# Altium PCB PCB1.PcbDoc (part 2 of 2)
Units mil, origin at the board's own origin, x right, y up, seen from the top; angles counter-clockwise.
Board outline 3937.01 x 3937.01 mil, 2 copper layers (Top Layer, Bottom Layer); 178 components, 187 nets, 636 pads, 168 vias.
Unrouted connection lines stored in the file: 17.
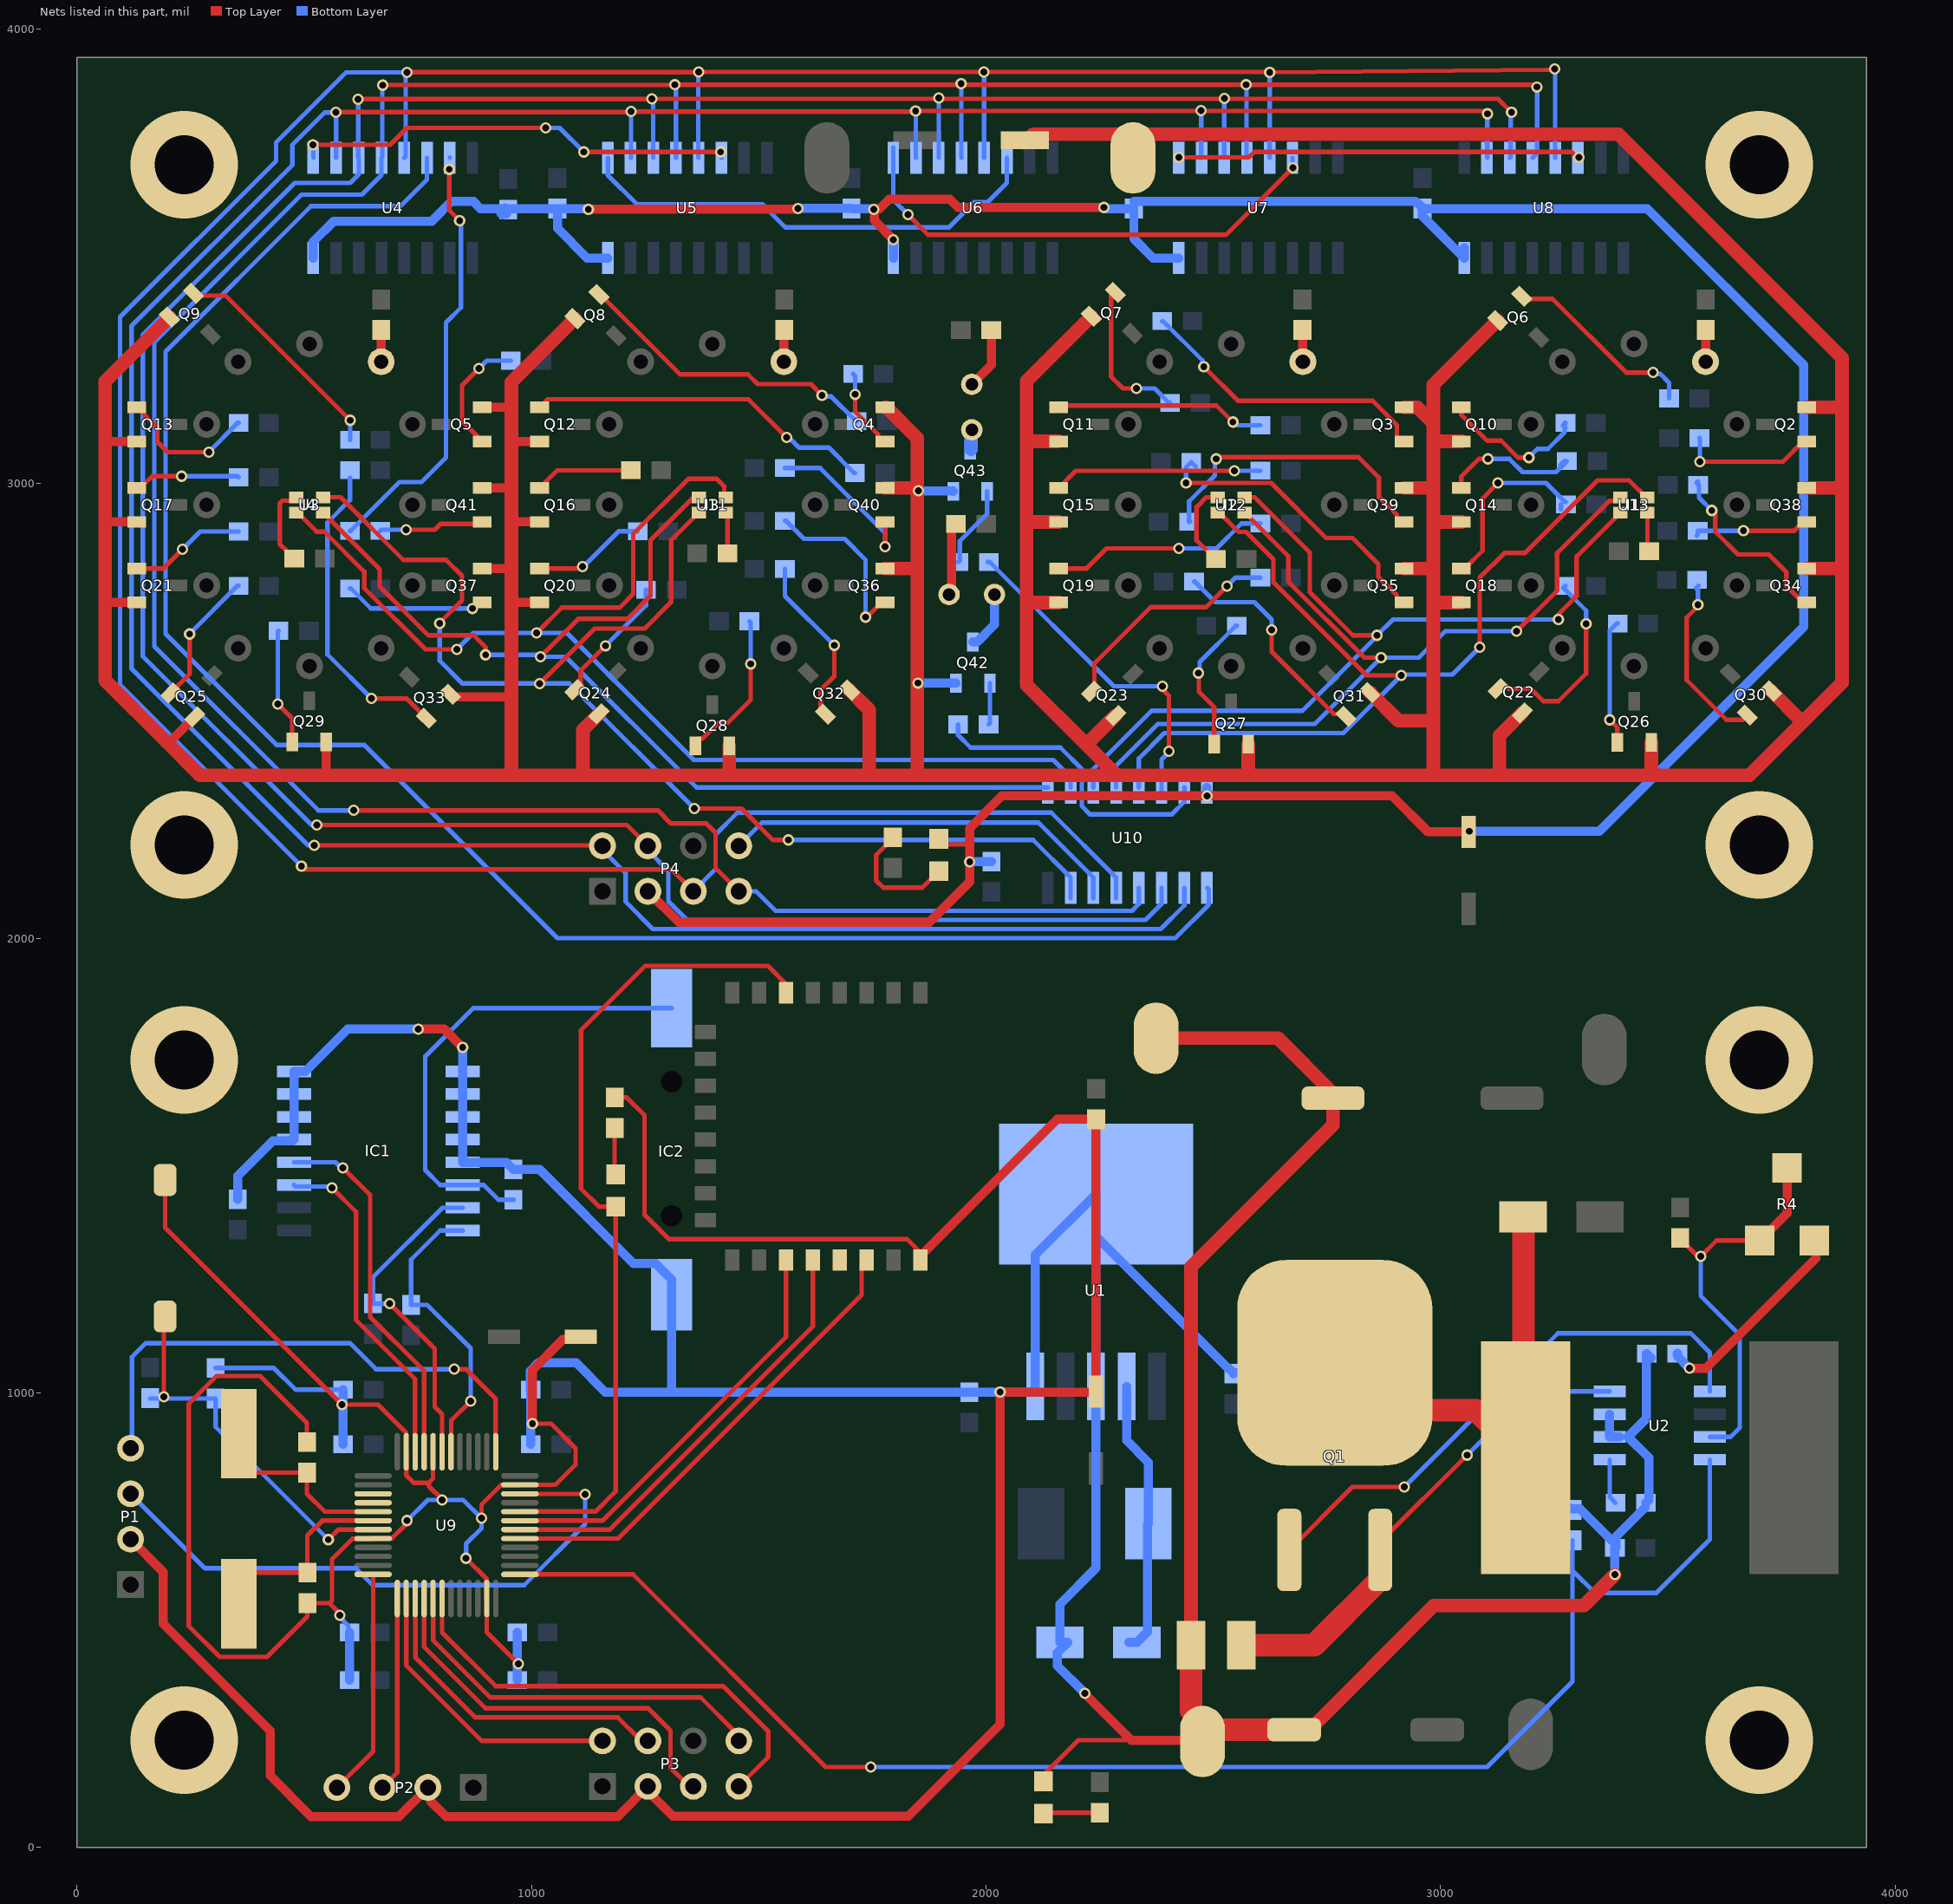
[diagram p2: the nets of this part, all layers, seen from the top]

## Via types
v1: diameter 25, hole 15, Top Layer to Bottom Layer, tented both sides, 160 vias
v2: diameter 236.22, hole 129.92, Top Layer to Bottom Layer, 8 vias

## Nets (pads, with @x,y where several pads share a name; then routed paths per layer and width w, separated by ;. In a path a pad name is that pad's centre, name@x,y a point inside that pad or via, vN(x,y) a via of type N, cw(c..) or ccw(c..) an arc to the next point about the centre after c; other vN are vias at no path point) (continued)
_4_N9: RC40.1 U4.15 | length 936.5
  Top Layer w10: v1(819,3691) 819,3601 v1(842,3578)
  Bottom Layer w10: RC40.1@600.54,2896 602.5,2896 709.5,3003 758,3003 812,3057 812,3354 844.8,3386.8 844.8,3575.2 v1(842,3578) ; U4.15@820.5,3716.82 U4.15@820.54,3716.78
CS: Q1.3 R2.1 U2.8 | length 1089.6
  Top Layer w10: Q1.3@2867,654.29 2868.5,655.79 2868.5,673.5 v1(3058,863)
  Top Layer w50: R2.1@2561.12,445 2721.68,445 2867,590.32 Q1.3@2867,654.29
  Bottom Layer w10: v1(3058,863) 3198,1003 U2.8@3371.76,1003
DISC: ?.21
DOT1: RC41.1 U10.7 | length 683.8
  Bottom Layer w10: RC41.1@1938.54,2470 1938.54,2446.46 1966,2419 2163.44,2419 2210.8,2371.64 2210.8,2290.2 2229,2272 2408,2272 2436,2300 U10.7@2436,2331.24
DOT2: RC44.1 U10.6 | length 754.9
  Top Layer w10: v1(2388,2554) 2388,2547 2402,2533 v1(2402,2410.97)
  Bottom Layer w10: RC44.1@2004.03,2827 RC44.1@2006,2827 2007.97,2827 2280.97,2554 v1(2388,2554) ; U10.6@2386,2308.6 U10.6@2386,2331.24 2386,2392.94 2402,2408.94 v1(2402,2410.97)
DS3231_SCL: IC1.16 R5.1 U9.42 | length 655.6
  Top Layer w10: U9.42@822.84,870.42 823.19,870.76 823.19,939.19 v1(866,982)
  Bottom Layer w10: IC1.16@848.51,1357 799,1357 735,1293 R5.1@735,1193.46 770.54,1193.46 866,1098 v1(866,982)
DS3231_SDA: IC1.15 R6.1 U9.43 | length 728.9
  Top Layer w10: v1(688,1196) 787,1097 787,969 803.16,952.84 U9.43@803.16,870.42
  Bottom Layer w10: v1(688,1196) 651.46,1196 R6.1@651,1196.46 651,1254 804,1407 IC1.15@848.51,1407
EXT: Q1.1 U2.1 | length 1226
  Top Layer w10: Q1.1@2667,654.29 2805.71,793 v1(2920,793)
  Bottom Layer w10: v1(2920,793) 3258,1131 3550,1131 3592.24,1088.76 U2.1@3592.24,1003
FB: R3.1 R4.1 R4.3 U2.3 | length 879.3
  Top Layer w10: R3.1@3527,1340.54 3527,1338.57 3562.7,1302.87 3569.13,1302.87 v1(3572,1300) 3607,1335 R4.1@3702,1335
  Top Layer w20: R3.1@3527,1340.54 R3.1@3527.23,1340.77 ; R4.1@3702,1335 3762,1395 R4.3@3762,1495
  Bottom Layer w10: v1(3572,1300) 3572,1213 3658,1127 3658,923 3638,903 U2.3@3592.24,903
GND: *.2 ?.24 C1.2 C2.2 C3.1 C4.1 C5.1 C6.2 C7.2 C8.2 C9.2 C10.2 C11.1 C12.2 C13.2 C14.2 C16.2 C17.2 C19.2 C20.2 C21.2 C22.2 C23.2 C24.2 C25.2 C26.2 C27.2 C28.2 C29.2 C31.2 C32.2 C33.2 D1.A IC1.5 IC1.6 IC1.7 IC1.8 IC1.9 IC1.10 IC1.11 IC1.12 IC1.13 IC2.1 LED1.C LED5.C P1.2 P2.2 P3.3 P4.3 Q2.2 Q3.2 Q4.2 Q5.2 Q6.2 Q7.2 Q8.2 Q9.2 Q10.2 Q11.2 Q12.2 Q13.2 Q14.2 Q15.2 Q16.2 Q17.2 Q18.2 Q19.2 Q20.2 Q21.2 Q22.2 Q23.2 Q24.2 Q25.2 Q26.2 Q27.2 Q28.2 Q29.2 Q30.2 Q31.2 Q32.2 Q33.2 Q34.2 Q35.2 Q36.2 Q37.2 Q38.2 Q39.2 Q40.2 Q41.2 Q42.2 Q43.2 R2.2 R8.1 R14.1 R15.1 tc.2 U1.3 U1.5 U1.6 U2.6 U2.7 U4.8 U5.8 U6.8 U7.8 U8.8 U9.8 U9.23 U9.35 U9.44 U9.47 U10.8 WP-1.1 WP-2.1 WP-.1 | length 42601.4
  Top Layer w10: *.2@194,1468 194,1363 v1(583,974) 661.9,974 724.07,911.83 724.07,870.76 U9.47@724.42,870.42 724.42,818.58 741,802 774,802 ; C17.2@506,891.46 506,934 403,1037 307,1037 246,976 246,487 314,419 418,419 507,508 C14.2@507,537.54 555.14,537.54 ; v1(578,511) 578,514.68 555.14,537.54 ; v1(726,719) 723.13,716.13 723.13,709.95 693,679.82 651.93,679.82 U9.8@651.58,679.47 651.24,679.13 605.81,679.13 561,634.32 561,543.39 555.14,537.54 ; U9.44@783.47,870.42 783.47,811.47 774,802 ; v1(803,764.5) 803,766 774,795 774,802 ; v1(856,636) 901.24,590.76 901.24,547.93 U9.23@901.58,547.58 901.58,473.42 v1(971,404) ; v1(890,724) 890,754.24 933,797.24 974.07,797.24 U9.35@974.42,797.58 1052.58,797.58 1097,842 1097,878 1043,932 v1(1002,932) ; R8.1@1183,1649.46 1209.54,1649.46 1248.34,1610.66 1248.34,1391.66 1302,1338 1826,1338 ?.24@1859.56,1304.44 ; LED5.C@1896,2218.43 1908.43,2206 1964,2206 ; LED1.C@2126,145.43 2126,159 2203.04,236.04 2319.96,236.04 ; C10.2@2240.82,1001.46 C10.2@2242,1002.65
  Top Layer w20: 62,2736 64.19,2738.19 Q21.2@131.89,2738.19 ; 62,2915 62.35,2915.35 Q17.2@131.89,2915.35 ; 62,3093 62.48,3092.52 Q13.2@131.89,3092.52 ; P1.2@118,678 190,606 190,492 425,257 425,158 515,68 708,68 P2.2@772,132 778.28,125.72 778.28,101.72 812,68 1189.51,68 P3.3@1256,134.49 1256,123.92 1310.92,69 1829,69 2030.83,270.83 v1(2030.83,1001.46) C10.2@2240.82,1001.46 ; 197,2432 204.89,2432 Q25.2@259.43,2486.54 ; Q29.2@548.4,2431.72 548.4,2358.6 549,2358 ; v1(751,1800) 808.02,1800 v1(848.51,1759.51) ; Q33.2@821.46,2536.43 827.03,2530.86 951.86,2530.86 956,2535 ; Q37.2@891.73,2812.99 955.01,2812.99 956,2812 ; Q41.2@891.73,2990.16 954.16,2990.16 956,2992 ; Q5.2@891.73,3167.32 953.32,3167.32 956,3170 ; 956,2741 958.81,2738.19 Q20.2@1017.72,2738.19 ; 956,2921 961.65,2915.35 Q16.2@1017.72,2915.35 ; 956,3092 956.52,3092.52 Q12.2@1017.72,3092.52 ; v1(1002,932) 1002,1050 1069.25,1117.25 1083.21,1117.25 1088.96,1123 C23.2@1108.65,1123 ; v1(1125,3603) 1584,3603 v1(1586,3605) ; P4.3@1256,2103 1324,2035 1875,2035 1964,2124 v1(1964,2168) 1964,2206 1964,2242 2035,2313 v1(2486,2313) 2893,2313 2972.35,2233.65 C33.2@3062,2233.65 ; v1(1796,3536) 1753.96,3578.04 1753.96,3603.96 1765.96,3603.96 1787,3625 1920,3625 1938,3607 v1(2259,3607) ; ?.24@1855,1292 1855,1299.87 1859.56,1304.44 2156.66,1601.54 C31.2@2242,1601.54 C10.2@2242,1002.65 ; v1(2217,339) 2319.96,236.04 2472.96,236.04 WP-.1@2476,233 ; C1.2@2677.52,259 C1.2@2712,259
  Top Layer w30: Q9.2@203.54,3365.57 62,3224.03 62,3093 62,2915 62,2736 62,2567 197,2432 271,2358 549,2358 956,2358 ; Q8.2@1095.54,3362.57 956,3223.03 956,3170 956,3092 956,2992 956,2921 956,2812 956,2741 956,2535 956,2358 ; Q24.2@1148.43,2493.54 1113,2458.11 1113,2361 1110,2358 ; Q28.2@1435.04,2422.72 1435.04,2360.96 1438,2358 ; Q32.2@1699.46,2545.43 1743,2501.89 1743,2364 ; Q36.2@1777.56,2812.99 1845.01,2812.99 1849,2809 ; Q40.2@1777.56,2990.16 1777.72,2990 1849,2990 1849,3099.35 1781.02,3167.32 Q4.2@1777.56,3167.32 ; v1@1849,2984 1849,2809 ; C32.2@2084.57,3749 2103.57,3768 2325,3768 3391,3768 3883,3276 3883,3166 ; Q19.2@2159.45,2738.19 2094.19,2738.19 2089,2733 ; Q15.2@2159.45,2915.35 2092.65,2915.35 2089,2919 ; Q11.2@2159.45,3092.52 2089.48,3092.52 2089,3093 ; Q7.2@2231.54,3367.57 2089,3225.03 2089,3093 ; Q23.2@2285.43,2489.54 2284.54,2489.54 2220.5,2425.5 ; WP-1.1@2374,1780 2642,1780 2763.15,1658.85 C12.2@2763.15,1648 2763.15,1589.15 2450.88,1276.88 R2.2@2450.88,445 ; Q27.2@2576.77,2426.72 2576.77,2358.77 2576,2358 ; C1.2@2712,259 2985,532 3315,532 v1(3383,600) ; Q31.2@2844.46,2540.43 2906.89,2478 2982,2478 ; Q35.2@2919.29,2812.99 2979.01,2812.99 2984,2808 ; Q39.2@2919.29,2990.16 2983.16,2990.16 2984,2991 ; Q3.2@2919.29,3167.32 2948.68,3167.32 2984,3132 ; 2984,2366 2984,2736 ; Q18.2@3045.28,2738.19 2986.19,2738.19 2984,2736 ; Q14.2@3045.28,2915.35 2986.65,2915.35 2984,2918 ; Q10.2@3045.28,3092.52 2985.48,3092.52 2984,3094 ; Q6.2@3125.54,3358.57 2984,3217.03 2984,3132 ; 3129,2361 3129,2445.11 Q22.2@3179.43,2495.54 ; Q26.2@3463.4,2430.72 3463.4,2359.6 3465,2358 ; Q30.2@3727.46,2543.43 3793,2477.89 3793,2472 ; Q34.2@3805.12,2812.99 3881.01,2812.99 3883,2811 ; Q38.2@3805.12,2990.16 3881.84,2990.16 3883,2989 ; Q2.2@3805.12,3167.32 3881.68,3167.32 3883,3166 ; 956,2358 1110,2358 ; 1110,2358 1438,2358 ; 1438,2358 1849,2358 ; 1849,2358 1849,2809 ; 1849,2358 2288,2358 ; 2089,2733 2089,2557 2220.5,2425.5 ; 2089,2733 2089,2919 ; 2089,2919 2089,3093 ; 2220.5,2425.5 2288,2358 ; 2288,2358 2576,2358 ; 2576,2358 3129,2358 3465,2358 ; 2984,2736 2984,2808 ; 2984,2808 2984,2918 ; 2984,2918 2984,2991 ; 2984,2991 2984,3094 ; 2984,3094 2984,3132 ; 3465,2358 3679,2358 3793,2472 ; 3793,2472 3883,2562 3883,2811 ; 3883,2811 3883,2989 ; 3883,2989 3883,3166
  Top Layer w50: R2.2@2450.88,445 2450.88,300.75 2476,275.63 WP-.1@2476,236.63 ; WP-.1@2476,233 WP-.1@2476,236.63 ; C1.2@2677.52,259 2498.37,259 WP-.1@2476,236.63
  Bottom Layer w10: C16.2@305,1054.46 433.54,1054.46 481,1007 C7.2@585.54,1007 ; v1(578,511) 578,506.94 597.57,487.37 597.57,473 C22.2@599.54,473 ; v1(726,719) 771.5,764.5 v1(803,764.5) 849.5,764.5 v1(890,724) 890,702 856,668 v1(856,636)
  Bottom Layer w20: C24.2@354,1425.46 354,1477.12 431.09,1554.2 474.69,1554.2 IC1.5@477.49,1557 IC1.6@477.49,1607 IC1.7@477.49,1657 IC1.8@477.49,1707 502.59,1707 595.59,1800 v1(751,1800) ; U4.8@520,3495.76 520,3532 565,3577 781,3577 824,3620 872,3620 887.46,3604.54 C25.2@940.03,3604.54 ; C20.2@585.54,887 C7.2@585.54,1007 ; C9.2@599.54,368 C22.2@599.54,473 ; v1(848.51,1759.51) IC1.9@848.51,1707 IC1.10@848.51,1657 IC1.11@848.51,1607 IC1.12@848.51,1557 IC1.13@848.51,1507 944.46,1507 C13.2@960,1491.46 1017.86,1491.46 1224.55,1284.78 1272.72,1284.78 1308,1249.5 IC2.1@1308,1216.04 1308,1003.46 1310,1001.46 ; C25.2@936,3590.54 932,3594.54 932,3596.5 C25.2@940.03,3604.54 ; C25.2@938,3599.54 C25.2@944.54,3593 ; C25.2@941.69,3606.19 C25.2@940.03,3604.54 ; C8.2@968.54,368 C21.2@968.54,473 ; C19.2@998.54,887.01 C6.2@998.54,1007 997,1008.54 997,1048 1015,1066 1098,1066 1162.54,1001.46 1310,1001.46 ; v1(1125,3603) 1124.23,3603.77 1057.77,3603.77 C27.2@1057,3604.54 ; U5.8@1167.76,3495.76 1122.24,3495.76 1057,3561 C27.2@1057,3604.54 ; v1(1586,3605) 1586.23,3604.77 1703.77,3604.77 C28.2@1704,3604.54 1704.77,3603.77 1752.23,3603.77 v1(1753,3603) ; U6.8@1795.84,3518.4 U6.8@1795.84,3495.76 1795.92,3495.84 1795.92,3535.92 v1(1796,3536) ; v1(1850,2561) 1850.14,2560.86 1933.46,2560.86 Q42.2@1933.6,2560.72 ; v1(1851,2984) 1851.64,2983.36 1926.96,2983.36 Q43.2@1927.6,2982.72 ; v1(1964,2168) 1964.23,2168.23 2011.77,2168.23 C26.2@2012,2168.46 ; v1(2217,339) 2217,340 2157,400 2157,427.93 2180.07,451 D1.A@2162.35,451 2162.35,535.35 2242,615 U1.3@2242,1014.03 U1.6@2242,1437.26 2108.14,1303.4 U1.5@2108.14,1014.03 2108.14,1010.95 2098.65,1001.46 v1(2030.83,1001.46) C11.1@1963,1001.46 1310,1001.46 ; U1.6@2246.74,1339.73 2532.35,1054.12 2534.31,1054.12 2544,1044.43 C5.1@2544,1042.46 2545.5,1043.96 2654.5,1043.96 C2.2@2656,1045.46 ; v1(2259,3607) 2260.35,3607 2262.82,3604.54 C29.2@2325,3604.54 2325,3538 2367.24,3495.76 U7.8@2423.92,3495.76 ; C29.2@2325,3620 2944.54,3620 2948.35,3616.19 2950.31,3616.19 2960,3606.5 tc.2@2960,3604.54 ; v1(2486,2313) U10.8@2486,2331.24 ; U8.8@3052,3518.4 U8.8@3052,3495.76 2960,3587.76 tc.2@2960,3604.54 ; v1(3063,2235) 3349,2235 3799,2685 3799,3260 3454.46,3604.54 tc.2@2960,3604.54 ; R14.1@3285.73,746.73 3285.73,744.76 3306.24,744.76 3383.54,667.46 C4.1@3383.54,659 ; U2.7@3371.76,953 U2.6@3371.76,903 U2.6@3394.4,903 ; v1@3382.04,599.04 v1(3383,600) 3383.27,600.27 3383.27,658.73 C4.1@3383.54,659 ; C3.1@3449.5,747.99 3385.5,684 3385.5,659 C4.1@3383.54,659 ; C3.1@3451.46,758 3458,764.54 3458,857 3412,903 3452.54,943.54 R15.1@3452.54,1086 ; R15.1@3453.54,1086 R15.1@3463,1076.54 ; C25.2@940.03,3604.54 C27.2@1057,3604.54
  other v2: 236.22,236.22 3700.79,236.22 236.22,1732.28 3700.79,1732.28 236.22,2204.72 3700.79,2204.72 236.22,3700.79 3700.79,3700.79
I\N\T\: IC1.3 U9.46 | length 742.4
  Top Layer w10: v1(561,1451) 614,1398 614,1160 743.76,1030.24 743.76,870.76 U9.46@744.1,870.42
  Bottom Layer w10: IC1.3@477.49,1457 480.62,1453.87 558.13,1453.87 v1(561,1451)
NetC13_1: C13.1 IC1.14 IC2.2 | length 1057
  Bottom Layer w10: C13.1@960,1424.54 927.46,1424.54 895,1457 IC1.14@848.51,1457 799,1457 766,1490 766,1740 871.96,1845.96 IC2.2@1308,1845.96
NetD1_K: D1.K L2.2 U1.2 | length 611.3
  Bottom Layer w20: U1.2@2308.93,1014.03 2308.93,895.07 2357.11,846.89 L2.2@2357.11,712 2355.07,709.96 2355.07,474.43 D1.K@2331.65,451 D1.K@2313.93,451
NetD2_A: D2.A L1.1 Q1.2 | length 1028
  Top Layer w30: Q1.2@2767,1065.71 Q1.2@2871.09,961.61
  Top Layer w50: Q1.2@2871.09,961.61 3078.39,961.61 3182,858 D2.A@3182,1385
NetI1_1: I1.1 RC48.2 | length 70
  Top Layer w20: I1.1@3582.68,3267.72 3582.84,3267.88 3582.84,3337.37 RC48.2@3583,3337.54
NetI2_1: I2.1 RC47.1 | length 70.2
  Top Layer w20: RC47.1@2696,3337.54 2696.43,3337.11 2696.43,3268.14 I2.1@2696.85,3267.72
NetI3_1: I3.1 RC46.1 | length 70.2
  Top Layer w20: I3.1@1555.12,3267.72 1555.56,3268.16 1555.56,3337.09 RC46.1@1556,3337.54
NetI4_1: I4.1 RC45.1 | length 69.9
  Top Layer w20: RC45.1@669,3337.54 669.15,3337.39 669.15,3267.86 I4.1@669.29,3267.72
NetLED1_A: LED1.A R1.1 | length 124.8
  Top Layer w10: LED1.A@2126,74.57 2127.97,76.54 R1.1@2250,76.54
NetLED2_1: LED2.1 RC42.1 | length 161.4
  Top Layer w20: LED2.1@1918.5,2755.91 1923.72,2761.12 1923.72,2901.31 1933.4,2911 RC42.1@1933.54,2911
NetLED2_2: LED2.2 Q42.3 | length 129.7
  Bottom Layer w20: Q42.3@1971,2651.28 1980.28,2651.28 2018.5,2689.5 LED2.2@2018.5,2755.91
NetLED3_1: LED3.1 RC43.1 | length 136.8
  Top Layer w20: LED3.1@1968.5,3218 2011.46,3260.96 RC43.1@2011.46,3337
NetLED3_2: LED3.2 Q43.3 | length 68.7
  Bottom Layer w10: LED3.2@1957.87,3129.13 LED3.2@1965,3122 ; Q43.3@1965,3081.15 Q43.3@1965,3073.28 Q43.3@1966.75,3075.03 ; LED3.2@1966.75,3116.25 LED3.2@1968.5,3118
  Bottom Layer w20: LED3.2@1961.79,3118.79 LED3.2@1965,3122
  Bottom Layer w30: Q43.3@1966.75,3075.03 LED3.2@1966.75,3116.25
NetLED4_C: LED4.C R8.2 | length 102.9
  Top Layer w10: R8.2@1183,1582.54 1183,1482.43 LED4.C@1185,1480.43
NetLED5_A: LED5.A R9.1 | length 293.3
  Top Layer w10: R9.1@1795,2221.46 1795,2219.5 1758,2182.5 1758,2127 1774,2111 1859.43,2111 1879.35,2130.91 1880.33,2130.91 1896,2146.58 LED5.A@1896,2147.57 1896,2148.55 LED5.A@1880.33,2164.22
NetQ2_1: Q2.1 RC1.2 | length 307
  Top Layer w10: v1@3569,3048 3752.72,3048 3797.24,3092.52 Q2.1@3805.12,3092.52
  Bottom Layer w10: RC1.2@3569.46,3100 3570.46,3099 v1(3570.46,3048)
NetQ3_1: Q3.1 RC2.2 | length 663.9
  Top Layer w10: v1(2479,3257) 2554,3182 2850,3182 2903.62,3128.38 2903.62,3100.32 2911.42,3092.52 Q3.1@2919.29,3092.52
  Bottom Layer w10: RC2.2@2387.54,3357 2389.5,3357 2476.13,3270.37 2476.13,3259.87 v1(2479,3257)
NetQ4_1: Q4.1 RC3.2 | length 182.1
  Top Layer w10: v1(1712,3196) 1712,3158.08 1761.89,3108.19 1761.89,3100.32 1769.69,3092.52 Q4.1@1777.56,3092.52
  Bottom Layer w10: RC3.2@1707.54,3241 1712,3236.54 v1(1712,3196)
NetQ5_1: Q5.1 RC4.2 | length 271.6
  Top Layer w10: v1(884.56,3253) 847,3215.44 847,3137.25 Q5.1@891.73,3092.52
  Bottom Layer w10: v1(884.56,3253) 901.56,3270 RC4.2@954.54,3270
NetQ6_1: Q6.1 RC5.2 | length 437.3
  Top Layer w10: Q6.1@3178.43,3411.46 3184,3405.89 3246.11,3405.89 3408,3244 v1(3467,3244)
  Bottom Layer w10: v1(3467,3244) 3469.87,3241.13 3482.87,3241.13 3502.54,3221.46 RC5.2@3502.54,3187
NetQ7_1: Q7.1 RC6.2 | length 356.3
  Top Layer w10: Q7.1@2284.43,3420.46 2290,3414.89 2275,3414.89 2275,3235 2301,3209 v1(2331,3209)
  Bottom Layer w10: v1(2331,3209) 2370.57,3209 2402.57,3177 RC6.2@2404.54,3177
NetQ8_1: Q8.1 RC7.2 | length 682.4
  Top Layer w10: Q8.1@1148.43,3415.46 1151.14,3415.46 1326.6,3240 1476,3240 1497.57,3218.43 1614.57,3218.43 v1(1639,3194)
  Bottom Layer w10: v1(1639,3194) 1641.87,3191.13 1659.44,3191.13 1713.57,3137 RC7.2@1715.54,3137
NetQ9_1: Q9.1 RC8.2 | length 511.6
  Top Layer w10: Q9.1@264.48,3418.46 Q9.1@256.43,3418.46 262,3412.89 327.11,3412.89 v1(601,3139)
  Bottom Layer w10: RC8.2@600.54,3096 601,3096.46 v1(601,3139)
NetQ10_1: Q10.1 RC9.2 | length 354.2
  Top Layer w10: Q10.1@3045.28,3167.32 3053.15,3167.32 3045.28,3159.45 3045.28,3150.72 3102,3094 3133,3094 3170,3057 v1(3194,3057)
  Bottom Layer w10: v1(3194,3057) 3213,3076 3236,3076 3272.57,3112.57 RC9.2@3272.57,3123.9 ; RC9.2@3274,3122.46 RC9.2@3272.57,3123.9 ; RC9.2@3272.57,3123.9 RC9.2@3272.57,3131.03 ; RC9.2@3272.57,3123.9 3269,3127.46 RC9.2@3272.57,3131.03 ; RC9.2@3272.57,3131.03 RC9.2@3274.54,3133 3272.57,3133 RC9.2@3272.57,3131.03
NetQ11_1: Q11.1 RC10.2 | length 463.8
  Top Layer w10: Q11.1@2159.45,3167.32 2163.57,3171.45 2506.55,3171.45 v1(2543,3135)
  Bottom Layer w10: v1(2543,3135) 2547.06,3135 2554.06,3128 RC10.2@2603.54,3128
NetQ12_1: Q12.1 RC11.2 | length 768.3
  Top Layer w10: Q12.1@1017.72,3167.32 1035.52,3185.12 1476.88,3185.12 v1(1561,3101)
  Bottom Layer w10: v1(1561,3101) 1566,3101 1588,3079 1653.57,3079 1709.57,3023 RC11.2@1711.54,3023
NetQ13_1: Q13.1 RC12.2 | length 313.4
  Top Layer w10: Q13.1@131.89,3167.32 139.76,3167.32 147.56,3159.53 147.56,3151.65 177,3122.21 177,3092 200,3069 v1(290,3069)
  Bottom Layer w10: v1(290,3069) 290,3069.43 353.57,3133 RC12.2@355.54,3133
NetQ14_1: Q14.1 RC13.2 | length 308.1
  Top Layer w10: Q14.1@3045.28,2990.16 3045.28,3015.28 3084,3054 v1(3104,3054)
  Bottom Layer w10: v1(3104,3054) 3151,3054 3180,3025 3253.54,3025 RC13.2@3277.54,3049 ; RC13.2@3263.61,3041 RC13.2@3272.61,3050
NetQ15_1: Q15.1 RC14.2 | length 459.8
  Top Layer w10: Q15.1@2159.45,2990.16 2197.29,3028 v1(2546.06,3028)
  Bottom Layer w10: v1(2546.06,3028) RC14.2@2603.54,3028
NetQ16_1: Q16.1 RC15.2 | length 216.9
  Top Layer w10: Q16.1@1017.72,2990.16 1056.56,3029 RC15.2@1218.54,3029
NetQ17_1: Q17.1 RC16.2 | length 235.3
  Top Layer w10: Q17.1@131.89,2990.16 139.76,2990.16 165.61,3016 v1(230,3016)
  Bottom Layer w10: v1(230,3016) 353.2,3016 RC16.2@355.54,3013.67
NetQ18_1: Q18.1 RC17.2 | length 403.8
  Top Layer w10: Q18.1@3045.28,2812.99 3053.15,2812.99 3092,2851.84 3092,2967 v1(3126,3001)
  Bottom Layer w10: v1(3126,3001) 3231.57,3001 3273.57,2959 RC17.2@3275.54,2959 ; RC17.2@3264.7,2943.17 RC17.2@3264.7,2954
NetQ19_1: Q19.1 RC18.2 | length 485.1
  Top Layer w10: Q19.1@2159.45,2812.99 2220.99,2812.99 2265,2857 v1(2424,2857)
  Bottom Layer w10: v1(2424,2857) 2507,2857 2562,2912 RC18.2@2603.54,2912
NetQ20_1: Q20.1 RC19.2 | length 249.8
  Top Layer w10: Q20.1@1017.72,2812.99 1108.12,2812.99 v1(1112.13,2817)
  Bottom Layer w10: v1(1112.13,2817) 1114,2817 1192,2895 RC19.2@1233.54,2895
NetQ21_1: Q21.1 RC20.2 | length 257.3
  Top Layer w10: Q21.1@131.89,2812.99 189.99,2812.99 v1(232,2855)
  Bottom Layer w10: v1(232,2855) 271.33,2894.33 RC20.2@355.54,2894.33
NetQ22_1: Q22.1 RC21.2 | length 450.3
  Top Layer w10: Q22.1@3126.54,2548.43 3132.11,2554 3143.13,2554 3148.7,2548.43 3198.57,2548.43 3226,2521 3259,2521 3320,2582 v1(3320,2691)
  Bottom Layer w10: RC21.2@3274.54,2775 3270,2770.46 3320,2720.46 v1(3320,2691)
NetQ23_1: Q23.1 RC22.2 | length 507.7
  Top Layer w10: Q23.1@2232.54,2542.43 2238.11,2548 2238.11,2604.11 2362,2728 2484,2728 v1(2530,2774)
  Bottom Layer w10: v1(2530,2774) 2549,2793 RC22.2@2603.54,2793
NetQ24_1: Q24.1 RC23.2 | length 284.4
  Top Layer w10: Q24.1@1095.54,2546.43 1108,2558.89 1108,2588 v1(1163,2643)
  Bottom Layer w10: v1(1163,2643) 1252,2732 RC23.2@1252,2766
NetQ25_1: Q25.1 RC24.2 | length 298.4
  Top Layer w10: Q25.1@206.54,2539.43 247.87,2580.76 v1(247.87,2668.94)
  Bottom Layer w10: v1(247.87,2668.94) 247.87,2669.3 353.57,2775 RC24.2@355.54,2775
NetQ26_1: Q26.1 RC25.2 | length 276.6
  Top Layer w10: v1(3372,2480) 3388.6,2463.4 Q26.1@3388.6,2430.72
  Bottom Layer w10: v1(3372,2480) 3372,2676.43 3387.57,2692 RC25.2@3389.54,2692
NetQ27_1: Q27.1 RC26.2 | length 310.9
  Top Layer w10: v1(2467,2583) 2468,2582 2468,2542 2501.97,2508.03 Q27.1@2501.97,2426.72
  Bottom Layer w10: v1(2467,2583) 2469.87,2585.87 2469.87,2607.37 2549.5,2687 RC26.2@2551.46,2687
NetQ28_1: Q28.1 RC27.2 | length 342.4
  Top Layer w10: Q28.1@1360.24,2422.72 1360.24,2430.6 1368.03,2438.39 1375.91,2438.39 1411.51,2474 1432,2474 1482,2524 v1(1482,2603)
  Bottom Layer w10: RC27.2@1479.46,2697 1482,2694.46 v1(1482,2603)
NetQ29_1: Q29.1 RC28.2 | length 258
  Top Layer w10: v1(442,2515) 473.6,2483.4 Q29.1@473.6,2431.72
  Bottom Layer w10: v1(442,2515) 442,2674.46 RC28.2@443.54,2676
NetQ30_1: Q30.1 RC29.2 | length 395.3
  Top Layer w10: v1(3566,2733) 3566,2730 3541.15,2705.15 3541.15,2567.85 3629,2480 3664.03,2480 Q30.1@3674.57,2490.54
  Bottom Layer w10: v1(3566,2733) 3566,2766 3562,2770 RC29.2@3567,2775
NetQ31_1: Q31.1 RC30.2 | length 498.5
  Top Layer w10: v1(2628,2678) 2628,2630 2764.89,2493.11 2786,2493.11 Q31.1@2791.57,2487.54
  Bottom Layer w10: RC30.2@2457.46,2784 2459.43,2784 2504.43,2739 2590,2739 2628,2701 v1(2628,2678)
NetQ32_1: Q32.1 RC31.2 | length 381.2
  Top Layer w10: Q32.1@1646.57,2492.54 1636,2503.11 1636,2546 1666,2576 v1(1666,2644)
  Bottom Layer w10: RC31.2@1557.46,2812 1557.46,2752.54 v1(1666,2644)
NetQ33_1: Q33.1 RC32.2 | length 684.3
  Top Layer w10: v1(648,2527) 725.11,2527 Q33.1@768.57,2483.54
  Bottom Layer w10: RC32.2@600.54,3012 600.54,2963.54 551,2914 551,2624 v1(648,2527)
NetQ34_1: Q34.1 RC33.2 | length 408.9
  Top Layer w10: v1(3596.5,2940.5) 3604,2933 3604,2894 3654,2844 3722,2844 3760.22,2805.78 3760.22,2775.21 3797.24,2738.19 Q34.1@3805.12,2738.19
  Bottom Layer w10: RC33.2@3562.46,3001 RC33.2@3566.46,3005 ; RC33.2@3566.46,2997 3568.43,2997 3568.43,2968.57 v1(3596.5,2940.5)
NetQ35_1: Q35.1 RC34.2 | length 673.7
  Top Layer w10: v1(2440,3001) 2627,3001 2748,2880 2806,2880 2863,2823 2863,2794.48 2903.62,2753.86 2903.62,2745.98 2911.42,2738.19 Q35.1@2919.29,2738.19
  Bottom Layer w10: v1(2440,3001) 2440,3035.54 RC34.2@2451.46,3047 RC34.2@2461,3037.46
NetQ36_1: Q36.1 RC35.2 | length 395.1
  Top Layer w10: v1(1735,2706) 1737.5,2706 1769.69,2738.19 Q36.1@1777.56,2738.19
  Bottom Layer w10: RC35.2@1557.46,2918 1559.43,2918 1599.43,2878 1689,2878 1735,2832 v1(1735,2706)
NetQ37_1: Q37.1 RC36.2 | length 315.8
  Top Layer w10: v1(870,2725) 870,2724.33 883.86,2738.19 Q37.1@891.73,2738.19
  Bottom Layer w10: RC36.2@600.54,2769 602.5,2769 646.5,2725 v1(870,2725)
NetQ38_1: Q38.1 RC37.2 | length 258
  Top Layer w10: v1(3666,2896) 3777.89,2896 3797.24,2915.35 Q38.1@3805.12,2915.35
  Bottom Layer w10: RC37.2@3563.46,2885.33 3565.46,2887.33 RC37.2@3565.46,2894 ; RC37.2@3565.46,2896 3566.46,2895 3567.46,2896 v1(3666,2896)
NetQ39_1: Q39.1 RC38.2 | length 668.1
  Top Layer w10: v1(2506,3054) 2510,3058 2819,3058 2864,3013 2864,2970.65 2903.62,2931.02 2903.62,2923.15 2911.42,2915.35 Q39.1@2919.29,2915.35
  Bottom Layer w10: RC38.2@2448.43,2916 RC38.2@2446.46,2916 2446.46,2960.55 2503.5,3017.58 2503.5,3051.5 v1(2506,3054)
NetQ40_1: Q40.1 RC39.2 | length 364.3
  Top Layer w10: Q40.1@1777.56,2915.35 1778,2914.91 v1(1778,2861)
  Bottom Layer w10: RC39.2@1557.46,3034 1635,3034 1778,2891 v1(1778,2861)
NetQ41_1: Q41.1 RC40.2 | length 232.3
  Top Layer w10: v1(724,2898) 787,2898 800.23,2911.23 887.61,2911.23 Q41.1@891.73,2915.35
  Bottom Layer w10: RC40.2@667.46,2896 669.46,2898 v1(724,2898)
NetQ42_1: Q42.1 RC41.2 | length 91.9
  Bottom Layer w10: RC41.2@2005.46,2470 2008.4,2472.94 Q42.1@2008.4,2560.72
NetQ43_1: Q43.1 RC44.2 | length 182
  Bottom Layer w10: RC44.2@1939.07,2827 1942,2829.93 1942,2873 2002.4,2933.4 Q43.1@2002.4,2982.72
NetR4_2: R4.2 R15.2 | length 474.3
  Top Layer w20: v1(3547,1054) 3583.14,1054 3825,1295.86 R4.2@3825,1332 ; R4.2@3822,1335 R4.2@3825,1332 ; R4.2@3833,1324 R4.2@3825,1332
  Bottom Layer w20: R15.2@3521.51,1087.04 R15.2@3520.46,1086 3520.96,1085.5 3520.96,1080.04 v1(3547,1054)
NetR10_1: R10.1 U3.1 | length 183.4
  Top Layer w10: R10.1@478.35,2834.65 476.38,2834.65 461.69,2849.33 461.69,2851.3 446,2866.99 446,2956.14 451.86,2962 474.8,2962 U3.1@482.28,2969.49 U3.1@478.35,2973.43
NetR11_1: R11.1 U11.1 | length 125.4
  Top Layer w10: U11.1@1434.96,2943.82 U11.1@1427.17,2936.02 1431.1,2932.09 R11.1@1431.1,2846 1433.07,2846 R11.1@1447.76,2831.31
NetR12_1: R12.1 U12.1 | length 194.2
  Top Layer w10: R12.1@2509.84,2830.06 R12.1@2505.91,2834 2503.94,2834 2463,2874.94 2463,2948 2484.49,2969.49 U12.1@2509.84,2969.49
NetR13_1: R13.1 U13.1 | length 86.7
  Top Layer w10: U13.1@3454.72,2936.02 3454.72,2854.94 R13.1@3458.66,2851
NRST: *.1 C16.1 R7.2 U9.7 | length 843.3
  Top Layer w10: v1(191,991) 191,1165 *.1@194,1168 ; v1(553,677) 575.16,699.16 U9.7@651.58,699.16
  Bottom Layer w10: R7.2@161,987.54 C16.1@305,987.54 305,925 v1(553,677)
O\E\: P3.5 P4.5 U4.13 U5.13 U6.13 U7.13 U8.13 U9.16 U10.13 | length 8639.5
  Top Layer w10: v1(494,2158) 501,2151 1308,2151 P4.5@1356,2103 ; v1(726,3904) 726.5,3904.5 1367.5,3904.5 v1(1368,3905) v1(1995.46,3905) 2622.92,3905 v1(2623.92,3904) 3233,3910 3249,3910 v1(3251,3912) ; U9.16@763.79,547.58 763.79,441.21 899,306 1257,306 1306,257 1306,175 1339.51,141.49 1349,141.49 P3.5@1356,134.49
  Bottom Layer w10: v1(494,2158) 95,2557 95,3366 438,3709 438,3750 592,3904 v1(726,3904) 723.13,3901.13 723.13,3719.37 U4.13@720,3716.24 ; P4.5@1356,2103 1405,2152 1405,2228 1453,2276 2143.4,2276 2286,2133.4 U10.13@2286,2110.76 U10.13@2286,2088.13 ; U5.13@1367.76,3716.24 1366.88,3717.12 1366.88,3903.88 v1(1368,3905) ; v1(1995.46,3905) 1995.65,3904.81 1995.65,3716.43 U6.13@1995.84,3716.24 ; U7.13@2623.92,3716.24 v1(2623.92,3904) ; v1(3251,3912) 3252,3911 U8.13@3252,3716.24
OSC32_IN: U9.3 | length 0.5
  Top Layer w10: U9.3@651.24,778.24 U9.3@651.58,777.9
OSC32_OUT: U9.4
OSC_IN: C17.1 U9.5 Y1.2 | length 423.8
  Top Layer w10: Y1.2@356,910 356,858.91 390.37,824.54 C17.1@506,824.54 506,778 545.47,738.53 U9.5@651.58,738.53
OSC_OUT: C14.1 U9.6 Y1.1 | length 441.9
  Top Layer w10: Y1.1@358,537.99 Y1.1@356,535.99 356,570.09 390.37,604.46 C14.1@507,604.46 507,686 539.84,718.84 U9.6@651.58,718.84
PWRC: ?.22 U9.29 | length 1054.9
  Top Layer w10: U9.29@974.42,679.47 1190.47,679.47 1726.14,1215.14 1726.14,1281.25 ?.22@1736.89,1292
R\S\T\: IC1.4 U9.45 | length 811.1
  Top Layer w10: v1(585,1495) 645,1435 645,1167 763.79,1048.21 U9.45@763.79,870.42
  Bottom Layer w10: IC1.4@477.49,1507 568.94,1507 580.94,1495 v1(585,1495)
RCLK: P3.7 P4.7 U4.12 U5.12 U6.12 U7.12 U8.12 U9.18 U10.12 | length 8233.3
  Top Layer w10: v1(609,2281) 1278,2281 1307,2252 1385,2252 1405,2232 1405,2154 P4.7@1456,2103 ; v1(673,3876) 673.5,3876.5 1314.5,3876.5 v1(1315,3877) v1(2572,3877) 3207,3877 v1(3212,3872) ; U9.18@803.16,547.58 803.5,547.24 803.5,472.5 921,355 1421,355 1521,255 1521,199.49 P3.7@1456,134.49
  Bottom Layer w10: v1(609,2281) 531,2281 170,2642 170,3311 494,3635 627,3635 670,3678 U4.12@670,3716.24 671.5,3717.74 671.5,3874.5 v1(673,3876) ; v1(1315,3877) 1317.88,3874.12 1317.88,3716.35 U5.12@1317.76,3716.24 ; P4.7@1456,2103 1494,2103 1537,2060 2321,2060 2336,2075 U10.12@2336,2110.76 ; v1(1945,3879) 1945.42,3878.58 1945.42,3716.66 U6.12@1945.84,3716.24 ; v1(2572,3877) 2572.96,3876.04 2572.96,3717.2 U7.12@2573.92,3716.24 ; U8.12@3202,3716.24 3212,3726.24 v1(3212,3872)
REF: C3.2 U2.5 | length 100.3
  Bottom Layer w10: U2.5@3371.76,853 3371.76,770.77 C3.2@3384.54,758
RGB1_B: U3.3 U10.2 U11.3 | length 2705.5
  Top Layer w10: U3.3@474.49,2943.82 U3.3@482.28,2936.02 485.24,2936.02 527.5,2893.76 544.47,2893.76 632,2806.23 632,2770 767,2635 v1(836,2635) ; v1(1011,2671) 1067,2727 1194,2727 1224,2757 1224,2889 1345,3010 1408,3010 1424.21,2993.79 1424.21,2969.49 U11.3@1427.17,2969.49 U11.3@1434.96,2961.69
  Bottom Layer w10: v1(836,2635) 872,2671 v1(1011,2671) 1078,2671 1357,2392 2147.87,2392 2186,2353.87 U10.2@2186,2331.24
RGB1_G: U3.4 U10.1 U11.4 | length 2445.6
  Top Layer w10: U3.4@538.39,2936.02 U3.4@541.34,2936.02 666,2811.36 666,2773 773,2666 873,2666 899,2640 v1(899,2623) ; v1(1020,2619) 1103,2702 1211,2702 1262,2753 1262,2875.43 1356.06,2969.49 U11.4@1368.11,2969.49
  Bottom Layer w10: v1(899,2623) 1016,2623 v1(1020,2619) 1075,2619 1362.76,2331.24 U10.1@2136,2331.24
RGB1_R: U3.2 U10.15 U11.2 | length 2800.6
  Top Layer w10: U3.2@541.34,2969.49 580.51,2969.49 718,2832 812,2832 847,2797 847,2742.65 798,2693.65 v1(798,2692) ; v1(1018,2560) 1139,2681 1249,2681 1307,2739 1307,2874.91 U11.2@1368.11,2936.02 ; v1(1358,2285) 1462,2285 1531,2216 v1(1565,2216)
  Bottom Layer w10: v1(798,2692) 798,2610 848,2560 v1(1018,2560) 1083,2560 v1(1358,2285) ; v1(1565,2216) 2103.4,2216 2186,2133.4 U10.15@2186,2110.76 U10.15@2186,2088.13
RGB2_B: U10.5 U12.3 U13.3 | length 2122
  Top Layer w10: U12.3@2509.84,2936.02 2512.8,2936.02 2555.38,2893.44 2571.7,2893.44 2611,2854.14 2611,2854 2632,2833 2632,2783 2837,2578 v1(2913,2578) ; v1(3086,2640) 3086,2793 3140,2847 3185,2847 3345,3007 3414.26,3007 3451.77,2969.49 U13.3@3454.72,2969.49
  Bottom Layer w10: U10.5@2336,2331.24 2336,2395 2392,2451 2786,2451 v1(2913,2578) 2914.5,2579.5 3025.5,2579.5 v1(3086,2640)
RGB2_G: U10.4 U12.4 U13.4 | length 1917.4
  Top Layer w10: U12.4@2568.9,2936.02 2571.85,2936.02 2579.65,2928.23 2579.65,2925.28 2665,2839.92 2665,2784 2832,2617 v1(2869,2617) ; v1(3167,2675) 3256,2764 3256,2847 3370.69,2961.69 3387.87,2961.69 U13.4@3395.67,2969.49
  Bottom Layer w10: U10.4@2286,2331.24 2286,2379 2378,2471 2723,2471 v1(2869,2617) 2952,2617 3010,2675 v1(3167,2675)
RGB2_R: U10.3 U12.2 U13.2 | length 1962.3
  Top Layer w10: U12.2@2568.9,2969.49 2590.51,2969.49 2712,2848 2712,2761.04 2807.04,2666 v1(2860,2666) ; v1(3259,2701) 3259,2712 3299,2752 3299,2839.35 3384.92,2925.28 3384.92,2928.23 3392.72,2936.02 U13.2@3395.67,2936.02
  Bottom Layer w10: U10.3@2236,2331.24 2236,2372 2364,2500 2696,2500 2860,2664 v1(2860,2666) 2895,2701 v1(3259,2701)
RXD: ?.20 U9.30 | length 975.6
  Top Layer w10: U9.30@974.42,699.16 1172.16,699.16 1618.78,1145.78 ?.20@1618.78,1292
S\R\C\L\R\: P3.2 P4.2 U4.10 U5.10 U6.10 U7.10 U8.10 U9.14 U10.10 | length 7769.7
  Top Layer w10: v1(522,2204) 1155,2204 P4.2@1156,2203 ; v1(570,3816) 571,3817 1218,3817 v1(1219,3818) 1844,3818 v1(1845,3819) 3097,3819 v1(3103,3813) ; U9.14@724.42,547.58 724.42,400.58 890.51,234.49 P3.2@1156,234.49
  Bottom Layer w10: v1(522,2204) 509,2204 120,2593 120,3346 474,3700 474,3745 545,3816 v1(570,3816) U4.10@570,3716.24 ; P4.2@1156,2203 1156,2194 1207,2143 1207,2080 1267,2020 2384,2020 2436,2072 U10.10@2436,2110.76 ; U5.10@1218.31,3716.78 1219,3717.47 v1(1219,3818) ; v1(1845,3819) 1845.42,3818.58 1845.42,3716.66 U6.10@1845.84,3716.24 ; v1(2473,3820) 2473.46,3819.54 2473.46,3716.7 U7.10@2473.92,3716.24 ; U8.10@3102,3716.24 3102.5,3716.74 3102.5,3812.5 v1(3103,3813)
SER: P3.8 P4.8 U9.17 U10.14 | length 1759.2
  Top Layer w10: U9.17@783.47,547.58 783.82,547.24 783.82,455.18 909,330 1372,330 1452.74,249.26 1452.74,237.74 P3.8@1456,234.49
  Bottom Layer w10: P4.8@1456,2203 1507,2254 2115.4,2254 2236,2133.4 U10.14@2236,2110.76 U10.14@2236,2088.13
SER0: U4.14 U10.9 | length 4041.8
  Bottom Layer w10: U4.14@770,3716.24 770,3668 712,3610 515,3610 195,3290 195,2669 439,2425 632,2425 1057,2000 2416,2000 2489.73,2073.73 2489.73,2107.03 U10.9@2486,2110.76
SER1: U4.9 U5.14 | length 977
  Top Layer w10: v1(519,3745) 689,3745 726,3782 v1(1031,3782) ; v1(1115,3729) v1(1416,3729)
  Bottom Layer w10: v1(519,3745) 520,3744 U4.9@520,3716.24 ; v1(1031,3782) 1062,3782 v1(1115,3729) ; v1(1416,3729) 1417.76,3727.24 U5.14@1417.76,3716.24
SER2: U5.9 U6.14 | length 1059.7
  Bottom Layer w10: U5.9@1167.76,3716.24 1167.76,3678.24 1232,3614 1508,3614 1559,3563 1918,3563 1974,3619 2004,3619 2045.84,3660.84 U6.14@2045.84,3716.24
SER3: U6.9 U7.14 | length 1110
  Top Layer w10: v1(1828,3591) 1872,3547 2528,3547 v1(2675,3694)
  Bottom Layer w10: U6.9@1795.84,3738.87 U6.9@1795.84,3716.24 1795.84,3623.16 v1(1828,3591) ; U7.14@2673.92,3716.24 2673.92,3695.08 v1(2675,3694)
SER4: U7.9 U8.14 | length 890.7
  Top Layer w10: v1(2424,3717) 2577.85,3717 2589.85,3729 3287.94,3729 3299.94,3717 v1(3304,3717)
  Bottom Layer w10: U7.9@2423.92,3716.24 2423.92,3716.92 v1(2424,3717)
SHDN: R14.2 U2.4 U9.25 | length 3426.4
  Top Layer w10: U9.25@974.42,600.73 1223.27,600.73 1647,177 v1(1746,177)
  Bottom Layer w10: v1(1746,177) 3102,177 3290,365 3290,609 ; R14.2@3290,675.54 3290,609 ; U2.4@3592.24,853 3592.24,677.24 3475,560 3339,560 3290,609
SPI1_SCK: P3.4 P4.4 U4.11 U5.11 U6.11 U7.11 U8.11 U9.15 U10.11 | length 7833.4
  Top Layer w10: v1(528,2249) 1210,2249 P4.4@1256,2203 ; v1(618,3845) 618.5,3845.5 1264.5,3845.5 v1(1265,3846) 3126,3846 v1(3156,3816) ; U9.15@744.1,547.58 744.45,547.24 744.45,418.55 877,286 1190,286 1238.26,237.74 1252.74,237.74 P3.4@1256,234.49
  Bottom Layer w10: v1(528,2249) 516,2249 145,2620 145,3327 479,3661 601,3661 620,3680 U4.11@620,3716.24 619,3717.24 619,3844 v1(618,3845) ; P4.4@1256,2203 1256,2193 1301,2148 1301,2081 1342,2040 2351,2040 2386,2075 U10.11@2386,2110.76 ; v1(1265,3846) 1267.76,3843.24 U5.11@1267.76,3716.24 ; U6.11@1895.84,3716.24 1895.92,3716.32 1895.92,3847.92 v1(1896,3848) ; U7.11@2523.92,3716.24 2523.96,3716.28 v1(2524,3847) v1(2524,3847) ; U8.11@3152,3716.24 3154,3718.24 3154,3814 v1(3156,3816)
STAT: ?.6 LED4.A U9.32 | length 1841.8
  Top Layer w10: U9.32@974.42,738.53 974.76,738.87 1140.87,738.87 1185,783 LED4.A@1185,1409.57 1148.43,1409.57 1109,1449 1109,1798 1250,1939 1520,1939 1559.72,1899.28 ?.6@1559.72,1880
SWCLK: P1.4 U9.37 | length 1181.9
  Top Layer w10: v1(830,1052) 856,1052 921.27,986.73 U9.37@921.27,870.42
  Bottom Layer w10: P1.4@118,878 121,881 121,1079 151,1109 601,1109 658,1052 v1(830,1052)
SWDIO: P1.3 U9.34 | length 1348.7
  Top Layer w10: U9.34@974.42,777.9 974.76,777.55 1117.45,777.55 v1(1118,777)
  Bottom Layer w10: P1.3@118,778 282,614 614,614 651,577 984,577 1118,711 v1(1118,777)
TXD: ?.19 U9.31 | length 921.9
  Top Layer w10: U9.31@974.42,718.84 1155.84,718.84 1559.72,1122.72 ?.19@1559.72,1292
USART2_RX: P2.3 U9.13 | length 429.1
  Top Layer w10: P2.3@672,132 704.73,164.73 U9.13@704.73,547.58
USART2_TX: P2.4 U9.12 | length 501.7
  Top Layer w10: P2.4@572,132 651.58,211.58 U9.12@651.58,600.73
pads on no net: ?.2 ?.3 ?.4 ?.5 ?.7 ?.8 ?.9 ?.10 ?.11 ?.12 ?.13 ?.14 ?.15 ?.16 ?.17 ?.18 ?.23 I1.12 I2.12 I3.12 I4.12 IC2.MH1 IC2.MH2 P3.6 P4.6 U8.9 U9.1 U9.2 U9.10 U9.11 U9.19 U9.20 U9.21 U9.22 U9.26 U9.27 U9.28 U9.33 U9.38 U9.39 U9.40 U9.41

## Keep-outs
Keep-Out Layer:
  lines w10: -1,1968.01 3936.01,1968.01 ; 0,0 0,3937.01 3937.01,3937.01 3937.01,0 0,0

## Other copper
Top Layer:
  rectangle: 2652,2029 2868,2095
  rectangle: 2172,2032 2623,2178
  rectangle: 1787,474 1943,562
  rectangle: 1344,580 1969,772
Bottom Layer:
  rectangle: 2633,1317 3350,1442
  rectangle: 2734,1469 3574,1585

## Silkscreen, mask and mechanical layers (free items; w line width, h text height)
Top Overlay:
  lines w10: 0,1968.5 3937.01,1968.5
Bottom Overlay:
  lines w10: 0,1968.5 3937.01,1968.5
Top Solder:
  text "竹蜻蜓" at 2179,2040 h150
  text "4号-B" at 2663,2034 h80
  text "竹蜻蜓" at 1365,593 h200
  text "4号" at 1799,481 h100
Bottom Solder:
  text "顺风波以从流兮" at 3573,1482 h120
  text "焉洋洋而为客" at 3338,1335 h120

## Text inside footprints (layer, text, board x,y; h text height)
P3: Top Overlay "8" at 1516,214.49 h50; Top Overlay "7" at 1516,114.49 h50; Top Overlay "1" at 1076,114.49 h50; Top Overlay "2" at 1056,214.49 h50
P4: Top Overlay "8" at 1516,2183 h50; Top Overlay "7" at 1516,2083 h50; Top Overlay "1" at 1076,2083 h50; Top Overlay "2" at 1056,2183 h50
?: Top Overlay "JDY-08" at 1623.94,1580.62 h39.37